# EAGLE board Mk4 Final a Panel score (EAGLE 9.0.1), part 19 of 24 (continued)
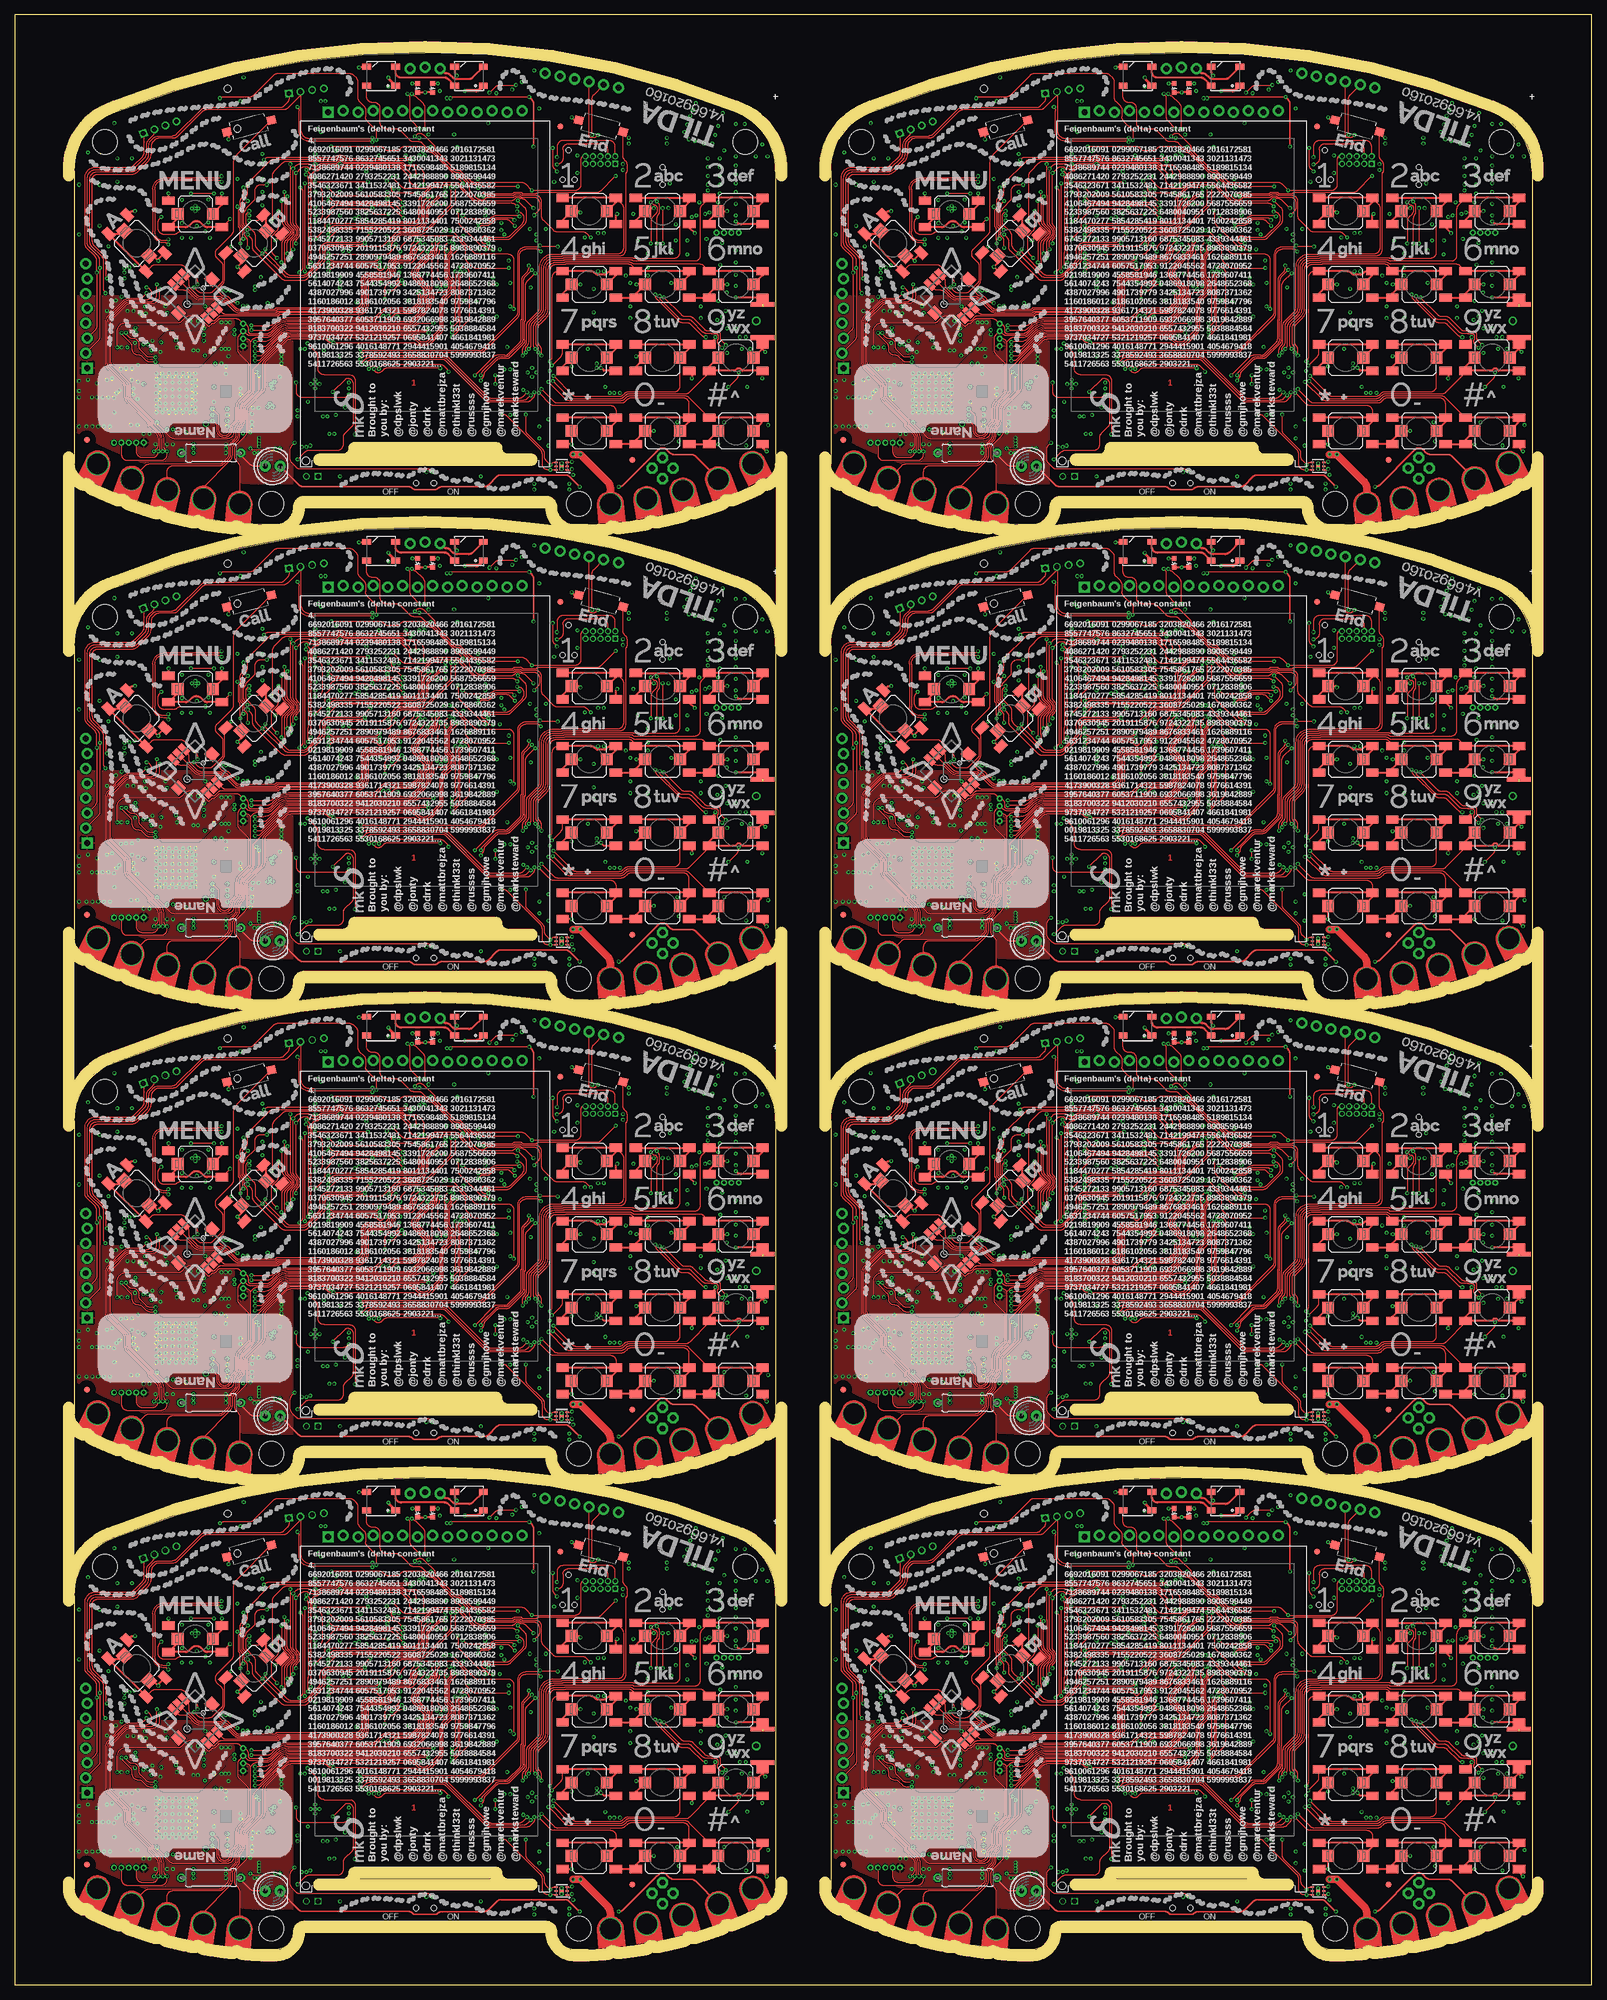
[diagram p0: board, top side]
## Tracks (layer width: path | path; a pad name or v marks a point on that pad's centre or on a via) (continued)
SPK_P4  (via drill 0.3)
  Top 0.2: v59,197.1 59.23,197.32 79.36,197.32 arc45 80.06,197.62 85.81,203.36 arc45 86.1,204.07 86.1,213.93 arc-90 87.17,214.99 89.16,214.99 arc-45 89.51,214.84 v89.75,214.61 | v35.3,227.45 arc-45 34.64,227.18 25.5,227.18 arc90 23.58,225.25 23.58,217.95 arc90 25.45,216.07 25.72,216.07 arc-45 26.07,215.93 v26.2,215.8
  Bottom 0.2: IC75.11 100.55,213.95 C493.1 | C493.1 C489.1 | C494.1 C493.1 | C491.1 C489.1 | C489.1 99.17,214.32 94.32,214.32 arc-45 94.25,214.35 94.16,214.45 arc45 94.09,214.47 91.78,214.47 R360.1 91.11,213.86 arc-90 90.4,213.86 89.75,214.51 v89.75,214.61 | v59,197.1 58.77,197.32 58.14,197.32 arc-45 57.44,197.62 55.02,200.03 arc45 54.8,200.12 54.54,200.12 arc-45 53.84,200.42 50.52,203.73 arc45 49.81,204.03 43.24,204.03 arc-45 42.53,204.32 39.52,207.34 arc-45 39.23,208.04 39.23,208.7 arc90 37.9,210.03 35.14,210.03 arc-45 34.44,210.32 32.22,212.53 arc45 31.51,212.82 28.4,212.82 arc-90 27.33,213.9 27.33,215.6 arc90 26.85,216.07 26.68,216.07 arc45 26.33,215.93 v26.2,215.8 | C508.2 v35.3,227.45
SPK_P5  (via drill 0.3)
  Top 0.2: v188,197.1 188.22,197.32 208.36,197.32 arc45 209.06,197.62 214.81,203.36 arc45 215.1,204.07 215.1,213.93 arc-90 216.17,214.99 218.16,214.99 arc-45 218.51,214.84 v218.75,214.61 | v164.3,227.45 arc-45 163.64,227.18 154.5,227.18 arc90 152.57,225.25 152.57,217.95 arc90 154.45,216.07 154.72,216.07 arc-45 155.07,215.93 v155.2,215.8
  Bottom 0.2: IC93.11 229.55,213.95 C601.1 | C601.1 C597.1 | C602.1 C601.1 | C599.1 C597.1 | C597.1 228.18,214.32 223.32,214.32 arc-45 223.25,214.35 223.16,214.45 arc45 223.09,214.47 220.78,214.47 R438.1 220.11,213.86 arc-90 219.4,213.86 218.75,214.51 v218.75,214.61 | v188,197.1 187.78,197.32 187.14,197.32 arc-45 186.44,197.62 184.02,200.03 arc45 183.8,200.12 183.54,200.12 arc-45 182.83,200.42 179.52,203.73 arc45 178.81,204.03 172.24,204.03 arc-45 171.53,204.32 168.52,207.34 arc-45 168.22,208.04 168.22,208.7 arc90 166.9,210.03 164.14,210.03 arc-45 163.44,210.32 161.22,212.53 arc45 160.51,212.82 157.4,212.82 arc-90 156.32,213.9 156.32,215.6 arc90 155.85,216.07 155.68,216.07 arc45 155.33,215.93 v155.2,215.8 | C616.2 v164.3,227.45
SPK_P6  (via drill 0.3)
  Top 0.2: v59,278.1 59.23,278.32 79.36,278.32 arc45 80.06,278.62 85.81,284.36 arc45 86.1,285.07 86.1,294.93 arc-90 87.17,295.99 89.16,295.99 arc-45 89.51,295.85 v89.75,295.61 | v35.3,308.45 arc-45 34.64,308.18 25.5,308.18 arc90 23.58,306.25 23.58,298.95 arc90 25.45,297.07 25.72,297.07 arc-45 26.07,296.93 v26.2,296.8
  Bottom 0.2: IC111.11 100.55,294.95 C709.1 | C709.1 C705.1 | C710.1 C709.1 | C707.1 C705.1 | C705.1 99.17,295.32 94.32,295.32 arc-45 94.25,295.35 94.16,295.45 arc45 94.09,295.48 91.78,295.48 R516.1 91.11,294.86 arc-90 90.4,294.86 89.75,295.51 v89.75,295.61 | v59,278.1 58.77,278.32 58.14,278.32 arc-45 57.44,278.62 55.02,281.04 arc45 54.8,281.12 54.54,281.12 arc-45 53.84,281.42 50.52,284.73 arc45 49.81,285.02 43.24,285.02 arc-45 42.53,285.32 39.52,288.33 arc-45 39.23,289.04 39.23,289.7 arc90 37.9,291.02 35.14,291.02 arc-45 34.44,291.32 32.22,293.53 arc45 31.51,293.82 28.4,293.82 arc-90 27.33,294.9 27.33,296.6 arc90 26.85,297.07 26.68,297.07 arc45 26.33,296.93 v26.2,296.8 | C724.2 v35.3,308.45
SPK_P7  (via drill 0.3)
  Top 0.2: v188,278.1 188.22,278.32 208.36,278.32 arc45 209.06,278.62 214.81,284.36 arc45 215.1,285.07 215.1,294.93 arc-90 216.17,295.99 218.16,295.99 arc-45 218.51,295.85 v218.75,295.61 | v164.3,308.45 arc-45 163.64,308.18 154.5,308.18 arc90 152.57,306.25 152.57,298.95 arc90 154.45,297.07 154.72,297.07 arc-45 155.07,296.93 v155.2,296.8
  Bottom 0.2: IC129.11 229.55,294.95 C817.1 | C817.1 C813.1 | C818.1 C817.1 | C815.1 C813.1 | C813.1 228.18,295.32 223.32,295.32 arc-45 223.25,295.35 223.16,295.45 arc45 223.09,295.48 220.78,295.48 R594.1 220.11,294.86 arc-90 219.4,294.86 218.75,295.51 v218.75,295.61 | v188,278.1 187.78,278.32 187.14,278.32 arc-45 186.44,278.62 184.02,281.04 arc45 183.8,281.12 183.54,281.12 arc-45 182.83,281.42 179.52,284.73 arc45 178.81,285.02 172.24,285.02 arc-45 171.53,285.32 168.52,288.33 arc-45 168.22,289.04 168.22,289.7 arc90 166.9,291.02 164.14,291.02 arc-45 163.44,291.32 161.22,293.53 arc45 160.51,293.82 157.4,293.82 arc-90 156.32,294.9 156.32,296.6 arc90 155.85,297.07 155.68,297.07 arc45 155.33,296.93 v155.2,296.8 | C832.2 v164.3,308.45
SPK_R_N
  Bottom 0.15: R45.2 R46.1 arc45 91.97,56.04 IC11.5
SPK_R_N1
  Bottom 0.15: R126.2 R127.1 arc45 220.97,56.04 IC26.5
SPK_R_N2
  Bottom 0.15: R204.2 R205.1 arc45 91.97,137.04 IC44.5
SPK_R_N3
  Bottom 0.15: R282.2 R283.1 arc45 220.97,137.04 IC62.5
SPK_R_N4
  Bottom 0.15: R360.2 R361.1 arc45 91.97,218.04 IC80.5
SPK_R_N5
  Bottom 0.15: R438.2 R439.1 arc45 220.97,218.04 IC98.5
SPK_R_N6
  Bottom 0.15: R516.2 R517.1 arc45 91.97,299.04 IC116.5
SPK_R_N7
  Bottom 0.15: R594.2 R595.1 arc45 220.97,299.04 IC134.5
SPK_R_P
  Bottom 0.15: R43.2 R51.1 R50.1 91.03,55.78 arc45 91.33,56.49 IC11.6
SPK_R_P1
  Bottom 0.15: R125.2 R129.1 R128.1 220.03,55.78 arc45 220.32,56.49 IC26.6
SPK_R_P2
  Bottom 0.15: R203.2 R207.1 R206.1 91.03,136.78 arc45 91.33,137.49 IC44.6
SPK_R_P3
  Bottom 0.15: R281.2 R285.1 R284.1 220.03,136.78 arc45 220.32,137.49 IC62.6
SPK_R_P4
  Bottom 0.15: R359.2 R363.1 R362.1 91.03,217.78 arc45 91.33,218.49 IC80.6
SPK_R_P5
  Bottom 0.15: R437.2 R441.1 R440.1 220.03,217.78 arc45 220.32,218.49 IC98.6
SPK_R_P6
  Bottom 0.15: R515.2 R519.1 R518.1 91.03,298.78 arc45 91.33,299.49 IC116.6
SPK_R_P7
  Bottom 0.15: R593.2 R597.1 R596.1 220.03,298.78 arc45 220.32,299.49 IC134.6
SSI0_LCD_CLK
  Bottom 0.15: J2.37 64.25,44.09 arc-45 64.54,44.79 64.91,45.16 arc45 65.2,45.86 65.2,47.03 arc45 65.15,47.15 64.11,48.19 arc45 62.88,48.7 62.2,48.7 arc-90 61.2,49.7 61.2,53.1 arc-90 61.7,53.6 IC1.35
SSI0_LCD_CLK1
  Bottom 0.15: J6.37 193.25,44.09 arc-45 193.54,44.79 193.91,45.16 arc45 194.2,45.86 194.2,47.03 arc45 194.15,47.15 193.11,48.19 arc45 191.88,48.7 191.2,48.7 arc-90 190.2,49.7 190.2,53.1 arc-90 190.7,53.6 IC20.35
SSI0_LCD_CLK2
  Bottom 0.15: J21.37 64.25,125.09 arc-45 64.54,125.79 64.91,126.16 arc45 65.2,126.86 65.2,128.03 arc45 65.15,128.15 64.11,129.19 arc45 62.88,129.7 62.2,129.7 arc-90 61.2,130.7 61.2,134.1 arc-90 61.7,134.6 IC38.35
SSI0_LCD_CLK3
  Bottom 0.15: J31.37 193.25,125.09 arc-45 193.54,125.79 193.91,126.16 arc45 194.2,126.86 194.2,128.03 arc45 194.15,128.15 193.11,129.19 arc45 191.88,129.7 191.2,129.7 arc-90 190.2,130.7 190.2,134.1 arc-90 190.7,134.6 IC56.35
SSI0_LCD_CLK4
  Bottom 0.15: J41.37 64.25,206.09 arc-45 64.54,206.79 64.91,207.16 arc45 65.2,207.86 65.2,209.03 arc45 65.15,209.15 64.11,210.19 arc45 62.88,210.7 62.2,210.7 arc-90 61.2,211.7 61.2,215.1 arc-90 61.7,215.6 IC74.35
SSI0_LCD_CLK5
  Bottom 0.15: J51.37 193.25,206.09 arc-45 193.54,206.79 193.91,207.16 arc45 194.2,207.86 194.2,209.03 arc45 194.15,209.15 193.11,210.19 arc45 191.88,210.7 191.2,210.7 arc-90 190.2,211.7 190.2,215.1 arc-90 190.7,215.6 IC92.35
SSI0_LCD_CLK6
  Bottom 0.15: J61.37 64.25,287.09 arc-45 64.54,287.79 64.91,288.16 arc45 65.2,288.86 65.2,290.03 arc45 65.15,290.15 64.11,291.19 arc45 62.88,291.7 62.2,291.7 arc-90 61.2,292.7 61.2,296.1 arc-90 61.7,296.6 IC110.35
SSI0_LCD_CLK7
  Bottom 0.15: J71.37 193.25,287.09 arc-45 193.54,287.79 193.91,288.16 arc45 194.2,288.86 194.2,290.03 arc45 194.15,290.15 193.11,291.19 arc45 191.88,291.7 191.2,291.7 arc-90 190.2,292.7 190.2,296.1 arc-90 190.7,296.6 IC128.35
SSI0_LCD_CS
  Bottom 0.15: J2.38 63.75,44.09 arc-45 64.04,44.79 64.58,45.33 arc45 64.88,46.04 64.88,46.92 arc45 64.82,47.06 63.91,47.96 arc45 62.85,48.4 62.15,48.4 arc-90 60.9,49.65 60.9,53.25 arc-90 61.65,54 IC1.36
SSI0_LCD_CS1
  Bottom 0.15: J6.38 192.75,44.09 arc-45 193.04,44.79 193.58,45.33 arc45 193.88,46.04 193.88,46.92 arc45 193.82,47.06 192.92,47.96 arc45 191.85,48.4 191.15,48.4 arc-90 189.9,49.65 189.9,53.25 arc-90 190.65,54 IC20.36
SSI0_LCD_CS2
  Bottom 0.15: J21.38 63.75,125.09 arc-45 64.04,125.79 64.58,126.33 arc45 64.88,127.04 64.88,127.92 arc45 64.82,128.06 63.91,128.96 arc45 62.85,129.4 62.15,129.4 arc-90 60.9,130.65 60.9,134.25 arc-90 61.65,135 IC38.36
SSI0_LCD_CS3
  Bottom 0.15: J31.38 192.75,125.09 arc-45 193.04,125.79 193.58,126.33 arc45 193.88,127.04 193.88,127.92 arc45 193.82,128.06 192.92,128.96 arc45 191.85,129.4 191.15,129.4 arc-90 189.9,130.65 189.9,134.25 arc-90 190.65,135 IC56.36
SSI0_LCD_CS4
  Bottom 0.15: J41.38 63.75,206.09 arc-45 64.04,206.79 64.58,207.33 arc45 64.88,208.04 64.88,208.92 arc45 64.82,209.06 63.91,209.96 arc45 62.85,210.4 62.15,210.4 arc-90 60.9,211.65 60.9,215.25 arc-90 61.65,216 IC74.36
SSI0_LCD_CS5
  Bottom 0.15: J51.38 192.75,206.09 arc-45 193.04,206.79 193.58,207.33 arc45 193.88,208.04 193.88,208.92 arc45 193.82,209.06 192.92,209.96 arc45 191.85,210.4 191.15,210.4 arc-90 189.9,211.65 189.9,215.25 arc-90 190.65,216 IC92.36
SSI0_LCD_CS6
  Bottom 0.15: J61.38 63.75,287.09 arc-45 64.04,287.79 64.58,288.33 arc45 64.88,289.04 64.88,289.92 arc45 64.82,290.06 63.91,290.96 arc45 62.85,291.4 62.15,291.4 arc-90 60.9,292.65 60.9,296.25 arc-90 61.65,297 IC110.36
SSI0_LCD_CS7
  Bottom 0.15: J71.38 192.75,287.09 arc-45 193.04,287.79 193.58,288.33 arc45 193.88,289.04 193.88,289.92 arc45 193.82,290.06 192.92,290.96 arc45 191.85,291.4 191.15,291.4 arc-90 189.9,292.65 189.9,296.25 arc-90 190.65,297 IC128.36
SSI0_LCD_MISO  (via drill 0.3)
  Top 0.15: v63.8,45.8 63.89,45.8 arc45 64.59,46.09 65.21,46.71 arc-45 65.91,47 v66.45,47
  Bottom 0.15: IC1.38 61.55,54.8 arc90 60.3,53.55 60.3,49.55 arc90 62.05,47.8 62.79,47.8 arc-45 63.49,47.51 63.51,47.49 arc-45 63.8,46.79 v63.8,45.8 | J2.33 66.25,46.52 arc-45 v66.45,47
SSI0_LCD_MISO1  (via drill 0.3)
  Top 0.15: v192.8,45.8 192.89,45.8 arc45 193.59,46.09 194.21,46.71 arc-45 194.91,47 v195.45,47
  Bottom 0.15: IC20.38 190.55,54.8 arc90 189.3,53.55 189.3,49.55 arc90 191.05,47.8 191.79,47.8 arc-45 192.49,47.51 192.51,47.49 arc-45 192.8,46.79 v192.8,45.8 | J6.33 195.25,46.52 arc-45 v195.45,47
SSI0_LCD_MISO2  (via drill 0.3)
  Top 0.15: v63.8,126.8 63.89,126.8 arc45 64.59,127.09 65.21,127.71 arc-45 65.91,128 v66.45,128
  Bottom 0.15: IC38.38 61.55,135.8 arc90 60.3,134.55 60.3,130.55 arc90 62.05,128.8 62.79,128.8 arc-45 63.49,128.51 63.51,128.49 arc-45 63.8,127.79 v63.8,126.8 | J21.33 66.25,127.52 arc-45 v66.45,128
SSI0_LCD_MISO3  (via drill 0.3)
  Top 0.15: v192.8,126.8 192.89,126.8 arc45 193.59,127.09 194.21,127.71 arc-45 194.91,128 v195.45,128
  Bottom 0.15: IC56.38 190.55,135.8 arc90 189.3,134.55 189.3,130.55 arc90 191.05,128.8 191.79,128.8 arc-45 192.49,128.51 192.51,128.49 arc-45 192.8,127.79 v192.8,126.8 | J31.33 195.25,127.52 arc-45 v195.45,128
SSI0_LCD_MISO4  (via drill 0.3)
  Top 0.15: v63.8,207.8 63.89,207.8 arc45 64.59,208.09 65.21,208.71 arc-45 65.91,209 v66.45,209
  Bottom 0.15: IC74.38 61.55,216.8 arc90 60.3,215.55 60.3,211.55 arc90 62.05,209.8 62.79,209.8 arc-45 63.49,209.51 63.51,209.49 arc-45 63.8,208.79 v63.8,207.8 | J41.33 66.25,208.52 arc-45 v66.45,209
SSI0_LCD_MISO5  (via drill 0.3)
  Top 0.15: v192.8,207.8 192.89,207.8 arc45 193.59,208.09 194.21,208.71 arc-45 194.91,209 v195.45,209
  Bottom 0.15: IC92.38 190.55,216.8 arc90 189.3,215.55 189.3,211.55 arc90 191.05,209.8 191.79,209.8 arc-45 192.49,209.51 192.51,209.49 arc-45 192.8,208.79 v192.8,207.8 | J51.33 195.25,208.52 arc-45 v195.45,209
SSI0_LCD_MISO6  (via drill 0.3)
  Top 0.15: v63.8,288.8 63.89,288.8 arc45 64.59,289.09 65.21,289.71 arc-45 65.91,290 v66.45,290
  Bottom 0.15: IC110.38 61.55,297.8 arc90 60.3,296.55 60.3,292.55 arc90 62.05,290.8 62.79,290.8 arc-45 63.49,290.51 63.51,290.49 arc-45 63.8,289.79 v63.8,288.8 | J61.33 66.25,289.52 arc-45 v66.45,290
SSI0_LCD_MISO7  (via drill 0.3)
  Top 0.15: v192.8,288.8 192.89,288.8 arc45 193.59,289.09 194.21,289.71 arc-45 194.91,290 v195.45,290
  Bottom 0.15: IC128.38 190.55,297.8 arc90 189.3,296.55 189.3,292.55 arc90 191.05,290.8 191.79,290.8 arc-45 192.49,290.51 192.51,290.49 arc-45 192.8,289.79 v192.8,288.8 | J71.33 195.25,289.52 arc-45 v195.45,290
SSI0_LCD_MOSI  (via drill 0.3)
  Top 0.15: v64.35,46.7 arc45 64.95,46.95 65.45,47.45 arc-45 v66.05,47.7
  Bottom 0.15: J2.34 65.75,44.5 65.8,44.55 65.8,47.1 arc-45 v66.05,47.7 | IC1.37 61.6,54.4 arc90 60.6,53.4 60.6,49.6 arc90 62.1,48.1 62.83,48.1 arc-45 63.72,47.73 64.2,47.25 arc-45 64.35,46.89 v64.35,46.7
SSI0_LCD_MOSI1  (via drill 0.3)
  Top 0.15: v193.35,46.7 arc45 193.95,46.95 194.45,47.45 arc-45 v195.05,47.7
  Bottom 0.15: J6.34 194.75,44.5 194.8,44.55 194.8,47.1 arc-45 v195.05,47.7 | IC20.37 190.6,54.4 arc90 189.6,53.4 189.6,49.6 arc90 191.1,48.1 191.83,48.1 arc-45 192.72,47.73 193.2,47.25 arc-45 193.35,46.89 v193.35,46.7
SSI0_LCD_MOSI2  (via drill 0.3)
  Top 0.15: v64.35,127.7 arc45 64.95,127.95 65.45,128.45 arc-45 v66.05,128.7
  Bottom 0.15: J21.34 65.75,125.5 65.8,125.55 65.8,128.1 arc-45 v66.05,128.7 | IC38.37 61.6,135.4 arc90 60.6,134.4 60.6,130.6 arc90 62.1,129.1 62.83,129.1 arc-45 63.72,128.73 64.2,128.25 arc-45 64.35,127.89 v64.35,127.7
SSI0_LCD_MOSI3  (via drill 0.3)
  Top 0.15: v193.35,127.7 arc45 193.95,127.95 194.45,128.45 arc-45 v195.05,128.7
  Bottom 0.15: J31.34 194.75,125.5 194.8,125.55 194.8,128.1 arc-45 v195.05,128.7 | IC56.37 190.6,135.4 arc90 189.6,134.4 189.6,130.6 arc90 191.1,129.1 191.83,129.1 arc-45 192.72,128.73 193.2,128.25 arc-45 193.35,127.89 v193.35,127.7
SSI0_LCD_MOSI4  (via drill 0.3)
  Top 0.15: v64.35,208.7 arc45 64.95,208.95 65.45,209.45 arc-45 v66.05,209.7
  Bottom 0.15: J41.34 65.75,206.5 65.8,206.55 65.8,209.1 arc-45 v66.05,209.7 | IC74.37 61.6,216.4 arc90 60.6,215.4 60.6,211.6 arc90 62.1,210.1 62.83,210.1 arc-45 63.72,209.73 64.2,209.25 arc-45 64.35,208.89 v64.35,208.7
SSI0_LCD_MOSI5  (via drill 0.3)
  Top 0.15: v193.35,208.7 arc45 193.95,208.95 194.45,209.45 arc-45 v195.05,209.7
  Bottom 0.15: J51.34 194.75,206.5 194.8,206.55 194.8,209.1 arc-45 v195.05,209.7 | IC92.37 190.6,216.4 arc90 189.6,215.4 189.6,211.6 arc90 191.1,210.1 191.83,210.1 arc-45 192.72,209.73 193.2,209.25 arc-45 193.35,208.89 v193.35,208.7
SSI0_LCD_MOSI6  (via drill 0.3)
  Top 0.15: v64.35,289.7 arc45 64.95,289.95 65.45,290.45 arc-45 v66.05,290.7
  Bottom 0.15: J61.34 65.75,287.5 65.8,287.55 65.8,290.1 arc-45 v66.05,290.7 | IC110.37 61.6,297.4 arc90 60.6,296.4 60.6,292.6 arc90 62.1,291.1 62.83,291.1 arc-45 63.72,290.73 64.2,290.25 arc-45 64.35,289.89 v64.35,289.7
SSI0_LCD_MOSI7  (via drill 0.3)
  Top 0.15: v193.35,289.7 arc45 193.95,289.95 194.45,290.45 arc-45 v195.05,290.7
  Bottom 0.15: J71.34 194.75,287.5 194.8,287.55 194.8,290.1 arc-45 v195.05,290.7 | IC128.37 190.6,297.4 arc90 189.6,296.4 189.6,292.6 arc90 191.1,291.1 191.83,291.1 arc-45 192.72,290.73 193.2,290.25 arc-45 193.35,289.89 v193.35,289.7
SSI2_CC_!CS  (via drill 0.3)
  Top 0.15: v41,34 41.7,34 45.86,38.16 arc-45 46.92,38.6 68.69,38.6 arc-45 69.39,38.31 v69.5,38.2 | v76,49.2 76,49.06 arc-45 75.89,48.8 arc45 75.6,48.1 75.6,41.01 arc-45 75.31,40.31 v74.6,39.6
  Bottom 0.15: IC15.8 27.75,21.95 arc90 28.75,20.95 36.5,20.95 arc90 38,22.45 38,24.39 arc-45 38.29,25.09 39.71,26.51 arc45 40.3,27.93 40.3,32.94 arc-45 40.59,33.64 40.95,34 v41,34 | IC1.3 75.4,50.21 arc45 75.69,49.51 v76,49.2 | v74.6,39.6 71.75,39.6 arc-45 71.25,39.81 arc45 70.54,40.1 70.5,40.1 arc90 69.5,39.1 v69.5,38.2
SSI2_CC_!CS1  (via drill 0.3)
  Top 0.15: v170,34 170.7,34 174.86,38.16 arc-45 175.92,38.6 197.69,38.6 arc-45 198.39,38.31 v198.5,38.2 | v205,49.2 205,49.06 arc-45 204.89,48.8 arc45 204.6,48.1 204.6,41.01 arc-45 204.31,40.31 v203.6,39.6
  Bottom 0.15: IC29.8 156.75,21.95 arc90 157.75,20.95 165.5,20.95 arc90 167,22.45 167,24.39 arc-45 167.29,25.09 168.71,26.51 arc45 169.3,27.93 169.3,32.94 arc-45 169.59,33.64 169.95,34 v170,34 | IC20.3 204.4,50.21 arc45 204.69,49.51 v205,49.2 | v203.6,39.6 200.75,39.6 arc-45 200.25,39.81 arc45 199.54,40.1 199.5,40.1 arc90 198.5,39.1 v198.5,38.2
SSI2_CC_!CS2  (via drill 0.3)
  Top 0.15: v41,115 41.7,115 45.86,119.16 arc-45 46.92,119.6 68.69,119.6 arc-45 69.39,119.31 v69.5,119.2 | v76,130.2 76,130.06 arc-45 75.89,129.8 arc45 75.6,129.1 75.6,122.01 arc-45 75.31,121.31 v74.6,120.6
  Bottom 0.15: IC47.8 27.75,102.95 arc90 28.75,101.95 36.5,101.95 arc90 38,103.45 38,105.39 arc-45 38.29,106.09 39.71,107.51 arc45 40.3,108.93 40.3,113.94 arc-45 40.59,114.64 40.95,115 v41,115 | IC38.3 75.4,131.21 arc45 75.69,130.51 v76,130.2 | v74.6,120.6 71.75,120.6 arc-45 71.25,120.81 arc45 70.54,121.1 70.5,121.1 arc90 69.5,120.1 v69.5,119.2
SSI2_CC_!CS3  (via drill 0.3)
  Top 0.15: v170,115 170.7,115 174.86,119.16 arc-45 175.92,119.6 197.69,119.6 arc-45 198.39,119.31 v198.5,119.2 | v205,130.2 205,130.06 arc-45 204.89,129.8 arc45 204.6,129.1 204.6,122.01 arc-45 204.31,121.31 v203.6,120.6
  Bottom 0.15: IC65.8 156.75,102.95 arc90 157.75,101.95 165.5,101.95 arc90 167,103.45 167,105.39 arc-45 167.29,106.09 168.71,107.51 arc45 169.3,108.93 169.3,113.94 arc-45 169.59,114.64 169.95,115 v170,115 | IC56.3 204.4,131.21 arc45 204.69,130.51 v205,130.2 | v203.6,120.6 200.75,120.6 arc-45 200.25,120.81 arc45 199.54,121.1 199.5,121.1 arc90 198.5,120.1 v198.5,119.2
SSI2_CC_!CS4  (via drill 0.3)
  Top 0.15: v41,196 41.7,196 45.86,200.16 arc-45 46.92,200.6 68.69,200.6 arc-45 69.39,200.31 v69.5,200.2 | v76,211.2 76,211.06 arc-45 75.89,210.8 arc45 75.6,210.1 75.6,203.01 arc-45 75.31,202.31 v74.6,201.6
  Bottom 0.15: IC83.8 27.75,183.95 arc90 28.75,182.95 36.5,182.95 arc90 38,184.45 38,186.39 arc-45 38.29,187.09 39.71,188.51 arc45 40.3,189.93 40.3,194.94 arc-45 40.59,195.64 40.95,196 v41,196 | IC74.3 75.4,212.21 arc45 75.69,211.51 v76,211.2 | v74.6,201.6 71.75,201.6 arc-45 71.25,201.81 arc45 70.54,202.1 70.5,202.1 arc90 69.5,201.1 v69.5,200.2
SSI2_CC_!CS5  (via drill 0.3)
  Top 0.15: v170,196 170.7,196 174.86,200.16 arc-45 175.92,200.6 197.69,200.6 arc-45 198.39,200.31 v198.5,200.2 | v205,211.2 205,211.06 arc-45 204.89,210.8 arc45 204.6,210.1 204.6,203.01 arc-45 204.31,202.31 v203.6,201.6
  Bottom 0.15: IC101.8 156.75,183.95 arc90 157.75,182.95 165.5,182.95 arc90 167,184.45 167,186.39 arc-45 167.29,187.09 168.71,188.51 arc45 169.3,189.93 169.3,194.94 arc-45 169.59,195.64 169.95,196 v170,196 | IC92.3 204.4,212.21 arc45 204.69,211.51 v205,211.2 | v203.6,201.6 200.75,201.6 arc-45 200.25,201.81 arc45 199.54,202.1 199.5,202.1 arc90 198.5,201.1 v198.5,200.2
SSI2_CC_!CS6  (via drill 0.3)
  Top 0.15: v41,277 41.7,277 45.86,281.16 arc-45 46.92,281.6 68.69,281.6 arc-45 69.39,281.31 v69.5,281.2 | v76,292.2 76,292.06 arc-45 75.89,291.8 arc45 75.6,291.1 75.6,284.01 arc-45 75.31,283.31 v74.6,282.6
  Bottom 0.15: IC119.8 27.75,264.95 arc90 28.75,263.95 36.5,263.95 arc90 38,265.45 38,267.39 arc-45 38.29,268.09 39.71,269.51 arc45 40.3,270.93 40.3,275.94 arc-45 40.59,276.64 40.95,277 v41,277 | IC110.3 75.4,293.21 arc45 75.69,292.51 v76,292.2 | v74.6,282.6 71.75,282.6 arc-45 71.25,282.81 arc45 70.54,283.1 70.5,283.1 arc90 69.5,282.1 v69.5,281.2
SSI2_CC_!CS7  (via drill 0.3)
  Top 0.15: v170,277 170.7,277 174.86,281.16 arc-45 175.92,281.6 197.69,281.6 arc-45 198.39,281.31 v198.5,281.2 | v205,292.2 205,292.06 arc-45 204.89,291.8 arc45 204.6,291.1 204.6,284.01 arc-45 204.31,283.31 v203.6,282.6
  Bottom 0.15: IC137.8 156.75,264.95 arc90 157.75,263.95 165.5,263.95 arc90 167,265.45 167,267.39 arc-45 167.29,268.09 168.71,269.51 arc45 169.3,270.93 169.3,275.94 arc-45 169.59,276.64 169.95,277 v170,277 | IC128.3 204.4,293.21 arc45 204.69,292.51 v205,292.2 | v203.6,282.6 200.75,282.6 arc-45 200.25,282.81 arc45 199.54,283.1 199.5,283.1 arc90 198.5,282.1 v198.5,281.2
SSI2_CC_CLK  (via drill 0.3)
  Top 0.15: v41,36.4 42.83,36.4 45.27,38.84 arc-45 46.86,39.5 67.07,39.5 arc45 68.49,40.09 68.51,40.11 arc-45 69.22,40.4 v71.4,40.4 | v75.2,49.2 75.2,47.49 75.22,47.47 75.22,41.44 arc-45 74.93,40.73 v74.6,40.4
  Bottom 0.15: IC15.5 29.25,23.91 arc45 29.54,23.21 30.51,22.24 arc45 31.21,21.95 34.88,21.95 34.9,21.93 36.35,21.93 arc90 37.1,22.68 37.1,24.48 arc-45 37.61,25.71 39.03,27.13 arc45 39.4,28.02 39.4,34.39 arc-45 39.69,35.09 v41,36.4 | IC1.4 75,49.68 arc45 v75.2,49.2 | v71.4,40.4 v74.6,40.4
SSI2_CC_CLK1  (via drill 0.3)
  Top 0.15: v170,36.4 171.83,36.4 174.27,38.84 arc-45 175.86,39.5 196.07,39.5 arc45 197.49,40.09 197.51,40.11 arc-45 198.22,40.4 v200.4,40.4 | v204.2,49.2 204.2,47.49 204.22,47.47 204.22,41.44 arc-45 203.93,40.73 v203.6,40.4
  Bottom 0.15: IC29.5 158.25,23.91 arc45 158.54,23.21 159.51,22.24 arc45 160.21,21.95 163.88,21.95 163.9,21.93 165.35,21.93 arc90 166.1,22.68 166.1,24.48 arc-45 166.61,25.71 168.03,27.13 arc45 168.4,28.02 168.4,34.39 arc-45 168.69,35.09 v170,36.4 | IC20.4 204,49.68 arc45 v204.2,49.2 | v200.4,40.4 v203.6,40.4
SSI2_CC_CLK2  (via drill 0.3)
  Top 0.15: v41,117.4 42.83,117.4 45.27,119.84 arc-45 46.86,120.5 67.07,120.5 arc45 68.49,121.09 68.51,121.11 arc-45 69.22,121.4 v71.4,121.4 | v75.2,130.2 75.2,128.49 75.22,128.47 75.22,122.44 arc-45 74.93,121.73 v74.6,121.4
  Bottom 0.15: IC47.5 29.25,104.91 arc45 29.54,104.21 30.51,103.24 arc45 31.21,102.95 34.88,102.95 34.9,102.92 36.35,102.92 arc90 37.1,103.67 37.1,105.47 arc-45 37.61,106.71 39.03,108.13 arc45 39.4,109.02 39.4,115.39 arc-45 39.69,116.09 v41,117.4 | IC38.4 75,130.68 arc45 v75.2,130.2 | v71.4,121.4 v74.6,121.4
SSI2_CC_CLK3  (via drill 0.3)
  Top 0.15: v170,117.4 171.83,117.4 174.27,119.84 arc-45 175.86,120.5 196.07,120.5 arc45 197.49,121.09 197.51,121.11 arc-45 198.22,121.4 v200.4,121.4 | v204.2,130.2 204.2,128.49 204.22,128.47 204.22,122.44 arc-45 203.93,121.73 v203.6,121.4
  Bottom 0.15: IC65.5 158.25,104.91 arc45 158.54,104.21 159.51,103.24 arc45 160.21,102.95 163.88,102.95 163.9,102.92 165.35,102.92 arc90 166.1,103.67 166.1,105.47 arc-45 166.61,106.71 168.03,108.13 arc45 168.4,109.02 168.4,115.39 arc-45 168.69,116.09 v170,117.4 | IC56.4 204,130.68 arc45 v204.2,130.2 | v200.4,121.4 v203.6,121.4
SSI2_CC_CLK4  (via drill 0.3)
  Top 0.15: v41,198.4 42.83,198.4 45.27,200.84 arc-45 46.86,201.5 67.07,201.5 arc45 68.49,202.09 68.51,202.11 arc-45 69.22,202.4 v71.4,202.4 | v75.2,211.2 75.2,209.49 75.22,209.47 75.22,203.44 arc-45 74.93,202.73 v74.6,202.4
  Bottom 0.15: IC83.5 29.25,185.91 arc45 29.54,185.21 30.51,184.24 arc45 31.21,183.95 34.88,183.95 34.9,183.93 36.35,183.93 arc90 37.1,184.68 37.1,186.47 arc-45 37.61,187.71 39.03,189.13 arc45 39.4,190.02 39.4,196.39 arc-45 39.69,197.09 v41,198.4 | IC74.4 75,211.68 arc45 v75.2,211.2 | v71.4,202.4 v74.6,202.4
SSI2_CC_CLK5  (via drill 0.3)
  Top 0.15: v170,198.4 171.83,198.4 174.27,200.84 arc-45 175.86,201.5 196.07,201.5 arc45 197.49,202.09 197.51,202.11 arc-45 198.22,202.4 v200.4,202.4 | v204.2,211.2 204.2,209.49 204.22,209.47 204.22,203.44 arc-45 203.93,202.73 v203.6,202.4
  Bottom 0.15: IC101.5 158.25,185.91 arc45 158.54,185.21 159.51,184.24 arc45 160.21,183.95 163.88,183.95 163.9,183.93 165.35,183.93 arc90 166.1,184.68 166.1,186.47 arc-45 166.61,187.71 168.03,189.13 arc45 168.4,190.02 168.4,196.39 arc-45 168.69,197.09 v170,198.4 | IC92.4 204,211.68 arc45 v204.2,211.2 | v200.4,202.4 v203.6,202.4
SSI2_CC_CLK6  (via drill 0.3)
  Top 0.15: v41,279.4 42.83,279.4 45.27,281.84 arc-45 46.86,282.5 67.07,282.5 arc45 68.49,283.09 68.51,283.11 arc-45 69.22,283.4 v71.4,283.4 | v75.2,292.2 75.2,290.49 75.22,290.46 75.22,284.44 arc-45 74.93,283.73 v74.6,283.4
  Bottom 0.15: IC119.5 29.25,266.91 arc45 29.54,266.21 30.51,265.24 arc45 31.21,264.95 34.88,264.95 34.9,264.93 36.35,264.93 arc90 37.1,265.68 37.1,267.48 arc-45 37.61,268.71 39.03,270.13 arc45 39.4,271.02 39.4,277.39 arc-45 39.69,278.09 v41,279.4 | IC110.4 75,292.68 arc45 v75.2,292.2 | v71.4,283.4 v74.6,283.4
SSI2_CC_CLK7  (via drill 0.3)
  Top 0.15: v170,279.4 171.83,279.4 174.27,281.84 arc-45 175.86,282.5 196.07,282.5 arc45 197.49,283.09 197.51,283.11 arc-45 198.22,283.4 v200.4,283.4 | v204.2,292.2 204.2,290.49 204.22,290.46 204.22,284.44 arc-45 203.93,283.73 v203.6,283.4
  Bottom 0.15: IC137.5 158.25,266.91 arc45 158.54,266.21 159.51,265.24 arc45 160.21,264.95 163.88,264.95 163.9,264.93 165.35,264.93 arc90 166.1,265.68 166.1,267.48 arc-45 166.61,268.71 168.03,270.13 arc45 168.4,271.02 168.4,277.39 arc-45 168.69,278.09 v170,279.4 | IC128.4 204,292.68 arc45 v204.2,292.2 | v200.4,283.4 v203.6,283.4
SSI2_CC_MISO  (via drill 0.3)
  Top 0.15: v41,34.8 42.08,34.8 45.67,38.39 arc-45 46.9,38.9 70.24,38.9 arc-45 v70.6,38.75 | v76.75,49.24 76.53,49.01 arc-45 76.5,48.96 76.19,48.65 arc45 75.9,47.94 75.9,40.21 arc-45 75.61,39.51 74.9,38.8 v74.6,38.8
  Bottom 0.15: IC15.7 28.25,23 R71.1 28.59,22.75 arc-45 29.29,22.46 30.06,21.69 arc45 31.12,21.25 36.45,21.25 arc90 37.7,22.5 37.7,24.43 arc-45 38.07,25.32 39.49,26.74 arc45 40,27.98 40,33.39 arc-45 40.29,34.09 v41,34.8 | IC1.1 76.2,50.6 76.31,50.49 arc-45 76.6,49.79 76.6,49.6 arc45 v76.75,49.24 | v74.6,38.8 74.55,38.75 v70.6,38.75
SSI2_CC_MISO1  (via drill 0.3)